# Altium PCB PCB - PCBWAY.PcbDoc (part 4 of 4)
Units mm, origin at the board's own origin, x right, y up, seen from the top; angles counter-clockwise.
Board outline 100 x 100 mm, 6 copper layers (Top Layer, Layer 2, Layer 3, Layer 4, Layer 5, Bottom Layer), stack 1.538 mm thick; 352 components, 247 nets, 1014 pads, 367 vias.
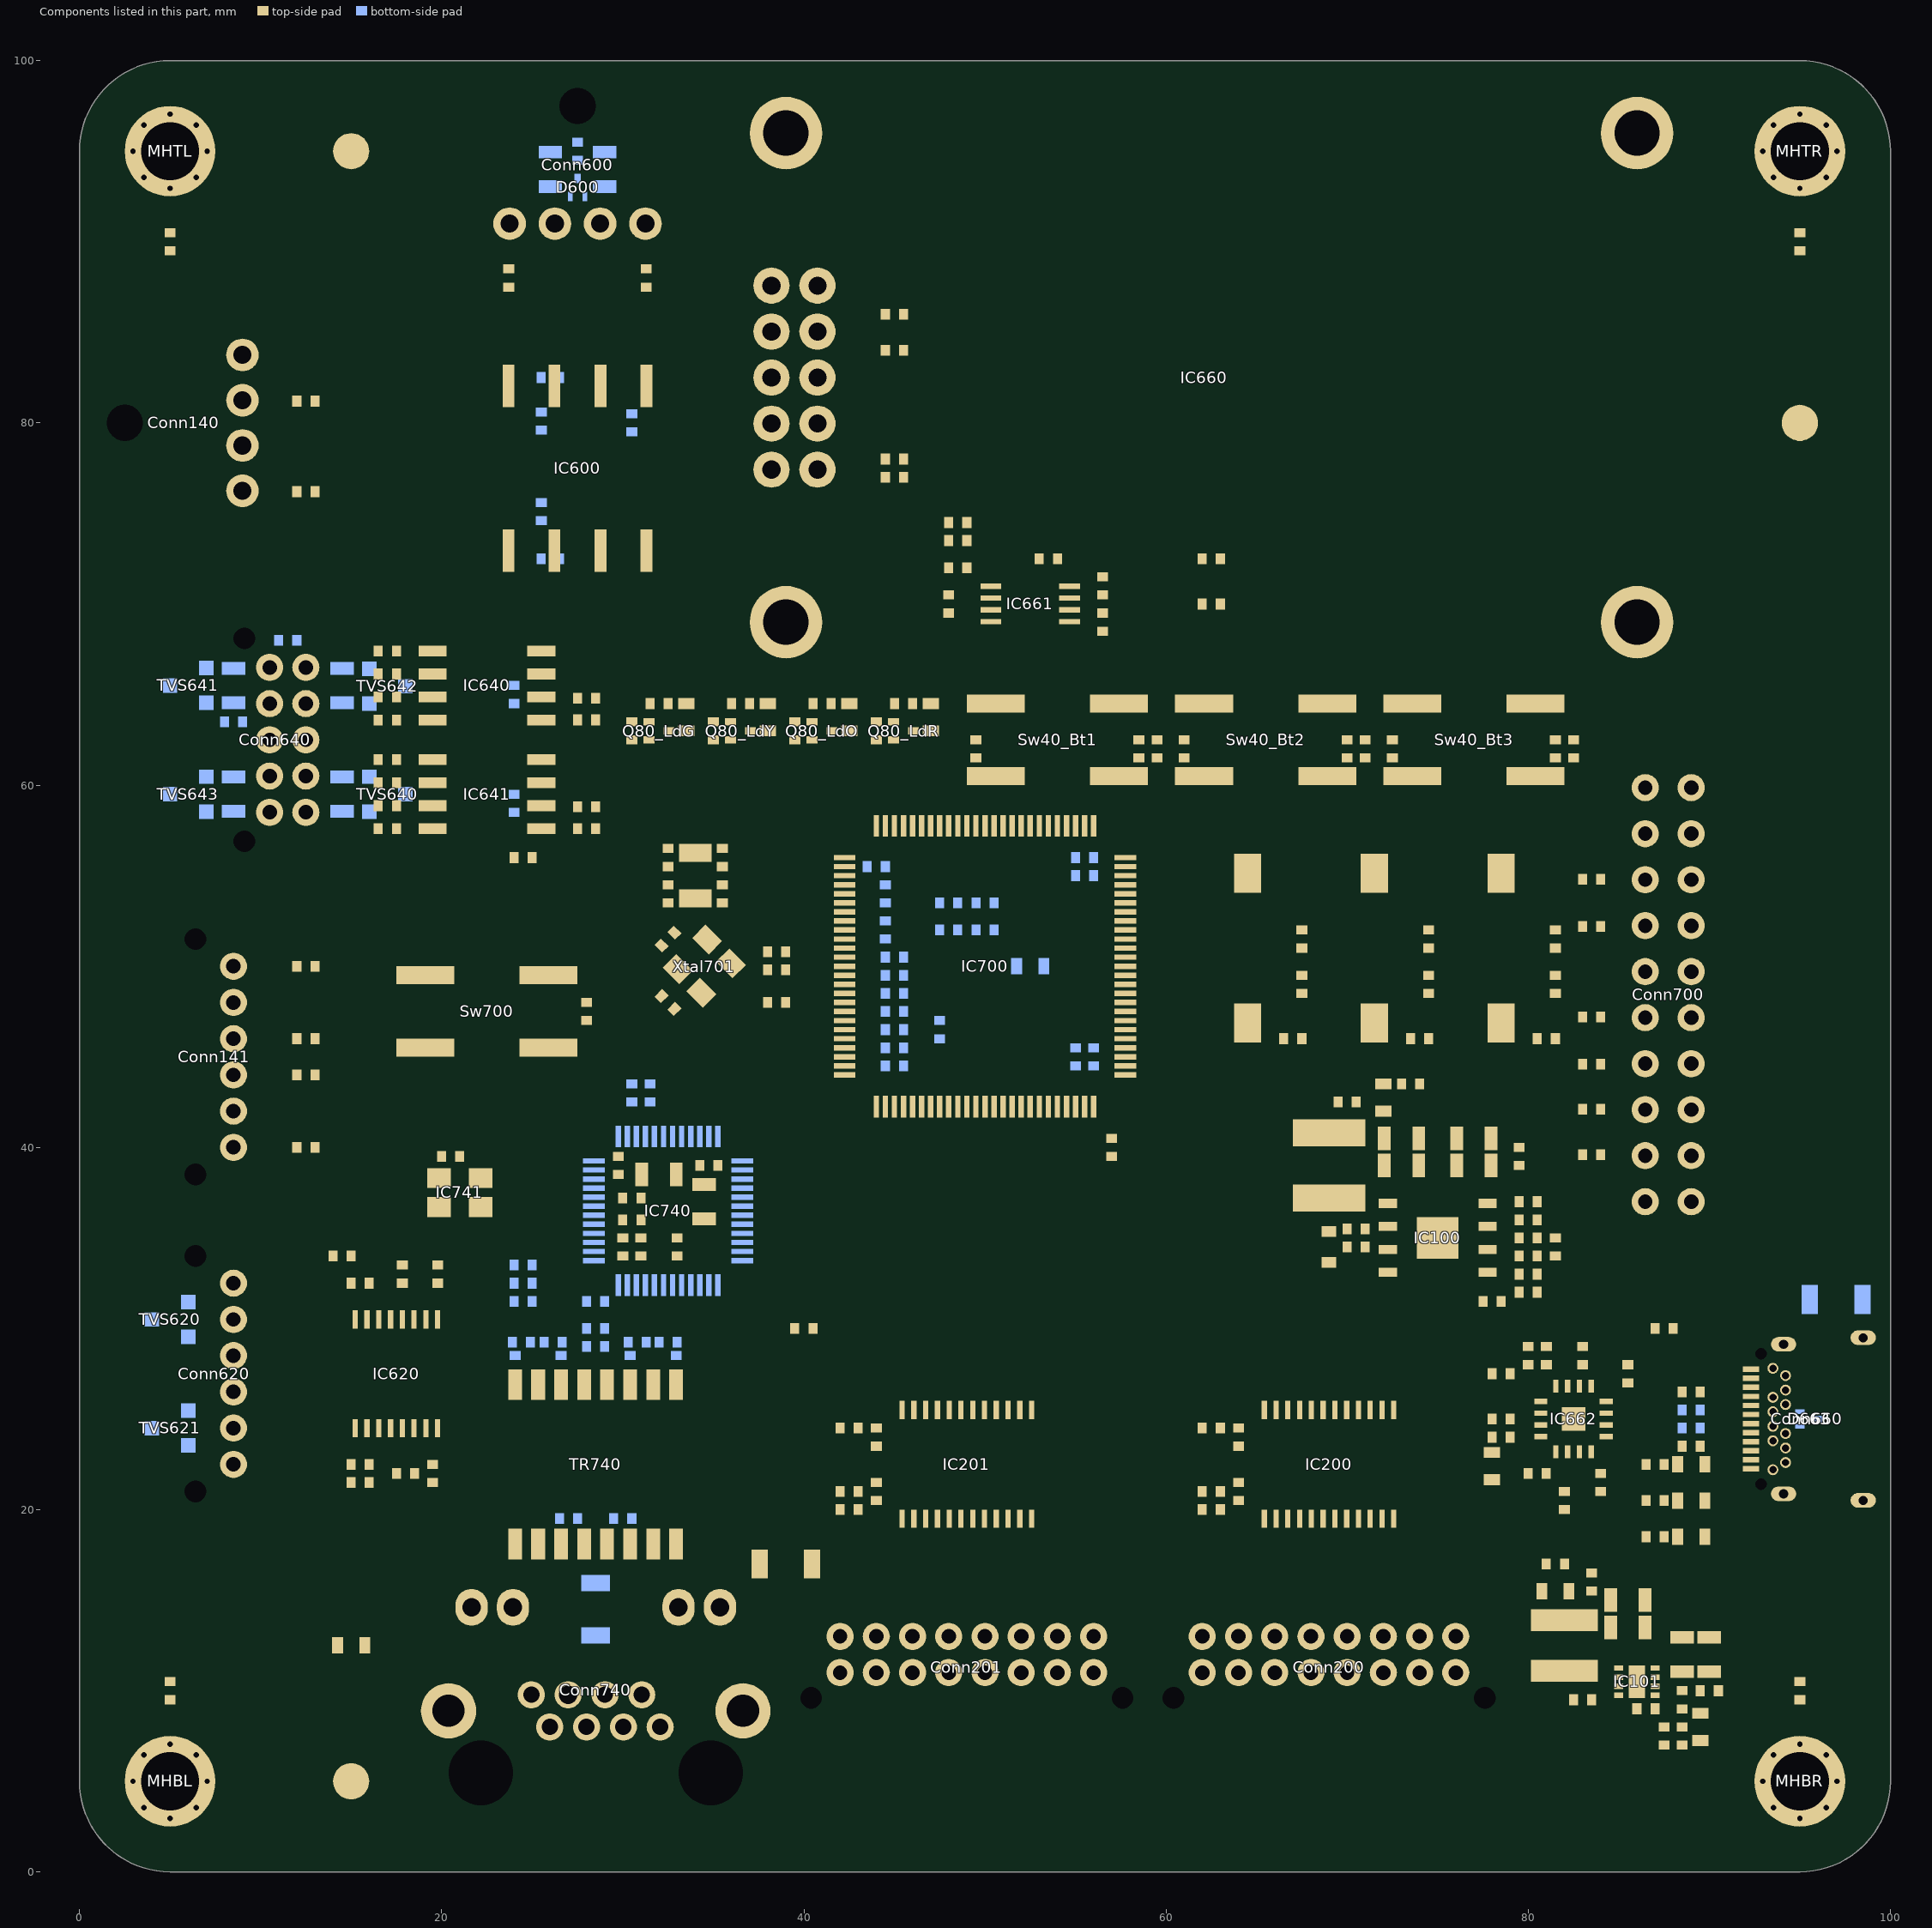
[diagram p8: the components of this part, seen from the top]

## Polygon pours and split planes (outlines as drawn) (continued)
3.3V_FT on Layer 4 (split plane): 85.857,27.857 85.899,27.825 85.948,27.805 86,27.798 88,27.798 89.916,27.798 91.798,25.916 91.798,23 91.805,22.948 91.825,22.899 91.857,22.857 92.857,21.857 92.899,21.825 92.919,21.817 92.948,21.805 93,21.798 93.513,21.798 89.916,18.202 81.084,18.202 77.202,22.084 77.202,27.916 79.084,29.798 80.298,29.798 80.298,29 80.305,28.948 80.325,28.899 80.357,28.857 80.399,28.825 80.448,28.805 80.5,28.798 81.75,28.798 81.802,28.805 81.851,28.825 81.893,28.857 82.834,29.798 83.916,29.798
VBus on Layer 4 (split plane): 94.008,26.706 94.008,26.6 94.008,25.884 93.367,25.243 93.335,25.201 93.315,25.152 93.308,25.1 93.308,24.6 93.315,24.548 93.335,24.499 93.367,24.457 94.008,23.816 94.008,22.294 93.916,22.202 93.084,22.202 92.202,23.084 92.202,26 92.195,26.052 92.175,26.101 92.143,26.143 90.143,28.143 90.101,28.175 90.052,28.195 90,28.202 88.084,28.202 87.702,28.584 87.702,30.416 88.084,30.798 89.916,30.798
ChassisU on Layer 4 (split plane): 99.49,5 99.491,4.982 99.482,4.706 99.453,4.414 99.406,4.124 99.339,3.837 99.253,3.556 99.15,3.281 99.029,3.013 98.89,2.754 98.735,2.504 98.564,2.266 98.377,2.038 98.176,1.824 97.962,1.623 97.734,1.436 97.496,1.265 97.246,1.11 96.987,0.971 96.719,0.85 96.444,0.747 96.163,0.661 95.876,0.594 95.586,0.547 95.294,0.518 95.018,0.509 95,0.51 92.502,0.51 92.502,6.998 93,6.998 93.098,7.007 93.192,7.036 93.279,7.082 93.355,7.145 94.855,8.645 94.918,8.721 94.964,8.808 94.993,8.902 95.002,9 95.002,11.792 97.355,14.145 97.418,14.221 97.464,14.308 97.493,14.402 97.502,14.5 97.502,33.292 98.708,34.498 99.49,34.498
Vdd on Layer 4 (split plane): 59.798,57.916 59.798,41.084 58.916,40.202 42.584,40.202 41.202,41.584 41.202,56.916 43.084,58.798 58.916,58.798
5V_LCD on Layer 4 (split plane): 49.798,84.916 49.798,77.75 49.805,77.698 49.825,77.649 49.857,77.607 52.607,74.857 52.649,74.825 52.698,74.805 52.75,74.798 61.166,74.798 62.298,73.666 62.298,68.834 60.666,67.202 47.584,67.202 35.202,79.584 35.202,82.5 35.202,87.416 37.584,89.798 44.916,89.798
5V on Layer 4 (split plane): 71.774,95.096 70,95.096 70,95.099 71.771,95.099 71.771,95.626
5V on Layer 4 (split plane): 71.766,96.379 70,96.379 70,96.38 71.766,96.38
ChassisE on Layer 5 (split plane): 38.498,18.292 38.498,0.51 5,0.51 4.982,0.509 4.706,0.518 4.414,0.547 4.124,0.594 3.837,0.661 3.556,0.747 3.281,0.85 3.013,0.971 2.754,1.11 2.504,1.265 2.266,1.436 2.038,1.623 1.824,1.824 1.623,2.038 1.436,2.266 1.265,2.504 1.11,2.754 0.971,3.013 0.85,3.281 0.747,3.556 0.661,3.837 0.594,4.124 0.547,4.414 0.518,4.706 0.509,4.982 0.51,5 0.51,14.498 5,14.498 5.098,14.507 5.192,14.536 5.279,14.582 5.355,14.645 8.708,17.998 19,17.998 19.098,18.007 19.192,18.036 19.279,18.082 19.355,18.145 23.208,21.998 34.792,21.998
Gnd on Layer 5 (split plane): 95.294,99.482 95.586,99.453 95.876,99.406 96.163,99.339 96.444,99.253 96.719,99.15 96.987,99.029 97.246,98.89 97.496,98.735 97.734,98.564 97.962,98.377 98.176,98.176 98.377,97.962 98.564,97.734 98.735,97.496 98.89,97.246 99.029,96.987 99.15,96.719 99.253,96.444 99.339,96.163 99.406,95.876 99.453,95.586 99.482,95.294 99.491,95.018 99.49,95 99.49,50.5 98.5,50.5 98.5,44.5 99.49,44.5 99.49,35.502 98.5,35.502 98.402,35.493 98.308,35.464 98.221,35.418 98.145,35.355 96.645,33.855 96.582,33.779 96.536,33.692 96.507,33.598 96.498,33.5 96.498,14.708 94.145,12.355 94.082,12.279 94.036,12.192 94.007,12.098 93.998,12 93.998,9.208 92.792,8.002 92,8.002 91.902,7.993 91.808,7.964 91.721,7.918 91.645,7.855 91.582,7.779 91.536,7.692 91.507,7.598 91.498,7.5 91.498,0.51 50.5,0.51 50.5,1.5 44.5,1.5 44.5,0.51 39.502,0.51 39.502,18.5 39.494,18.588 39.493,18.598 39.464,18.692 39.418,18.779 39.383,18.821 39.355,18.855 35.355,22.855 35.279,22.918 35.192,22.964 35.098,22.993 35,23.002 23,23.002 22.902,22.993 22.808,22.964 22.721,22.918 22.645,22.855 18.792,19.002 8.5,19.002 8.402,18.993 8.308,18.964 8.221,18.918 8.145,18.855 4.792,15.502 0.51,15.502 0.51,44.5 1.5,44.5 1.5,50.5 0.51,50.5 0.51,95 0.509,95.018 0.518,95.294 0.547,95.586 0.594,95.876 0.661,96.163 0.747,96.444 0.85,96.719 0.971,96.987 1.11,97.246 1.265,97.496 1.436,97.734 1.623,97.962 1.824,98.176 2.038,98.377 2.266,98.564 2.504,98.735 2.754,98.89 3.013,99.029 3.281,99.15 3.556,99.253 3.837,99.339 4.124,99.406 4.414,99.453 4.706,99.482 4.982,99.491 5,99.49 19.498,99.49 19.498,82.5 19.507,82.402 19.536,82.308 19.582,82.221 19.645,82.145 22.145,79.645 22.221,79.582 22.308,79.536 22.402,79.507 22.5,79.498 32.5,79.498 32.598,79.507 32.692,79.536 32.779,79.582 32.855,79.645 35.355,82.145 35.418,82.221 35.464,82.308 35.493,82.402 35.502,82.5 35.502,99.49 44.5,99.49 44.5,98.5 50.5,98.5 50.5,99.49 95,99.49 95.018,99.491
ChassisU on Layer 5 (split plane): 99.49,5 99.491,4.982 99.482,4.706 99.453,4.414 99.406,4.124 99.339,3.837 99.253,3.556 99.15,3.281 99.029,3.013 98.89,2.754 98.735,2.504 98.564,2.266 98.377,2.038 98.176,1.824 97.962,1.623 97.734,1.436 97.496,1.265 97.246,1.11 96.987,0.971 96.719,0.85 96.444,0.747 96.163,0.661 95.876,0.594 95.586,0.547 95.294,0.518 95.018,0.509 95,0.51 92.502,0.51 92.502,6.998 93,6.998 93.098,7.007 93.192,7.036 93.279,7.082 93.355,7.145 94.855,8.645 94.918,8.721 94.964,8.808 94.993,8.902 95.002,9 95.002,11.792 97.355,14.145 97.418,14.221 97.464,14.308 97.493,14.402 97.502,14.5 97.502,33.292 98.708,34.498 99.49,34.498
Gcan on Layer 5 (split plane): 34.498,82.708 32.292,80.502 22.708,80.502 20.502,82.708 20.502,99.49 34.498,99.49
ChassisE on Layer 2 (split plane): 38.498,18.292 38.498,0.51 5,0.51 4.982,0.509 4.706,0.518 4.414,0.547 4.124,0.594 3.837,0.661 3.556,0.747 3.281,0.85 3.013,0.971 2.754,1.11 2.504,1.265 2.266,1.436 2.038,1.623 1.824,1.824 1.623,2.038 1.436,2.266 1.265,2.504 1.11,2.754 0.971,3.013 0.85,3.281 0.747,3.556 0.661,3.837 0.594,4.124 0.547,4.414 0.518,4.706 0.509,4.982 0.51,5 0.51,14.498 5,14.498 5.098,14.507 5.192,14.536 5.279,14.582 5.355,14.645 8.708,17.998 19,17.998 19.098,18.007 19.192,18.036 19.279,18.082 19.355,18.145 23.208,21.998 34.792,21.998
Gnd on Layer 2 (split plane): 95.294,99.482 95.586,99.453 95.876,99.406 96.163,99.339 96.444,99.253 96.719,99.15 96.987,99.029 97.246,98.89 97.496,98.735 97.734,98.564 97.962,98.377 98.176,98.176 98.377,97.962 98.564,97.734 98.735,97.496 98.89,97.246 99.029,96.987 99.15,96.719 99.253,96.444 99.339,96.163 99.406,95.876 99.453,95.586 99.482,95.294 99.491,95.018 99.49,95 99.49,50.5 98.5,50.5 98.5,44.5 99.49,44.5 99.49,35.502 98.5,35.502 98.402,35.493 98.308,35.464 98.221,35.418 98.145,35.355 96.645,33.855 96.582,33.779 96.536,33.692 96.507,33.598 96.498,33.5 96.498,14.708 94.145,12.355 94.082,12.279 94.036,12.192 94.007,12.098 93.998,12 93.998,9.208 92.792,8.002 92,8.002 91.902,7.993 91.808,7.964 91.721,7.918 91.645,7.855 91.582,7.779 91.536,7.692 91.507,7.598 91.498,7.5 91.498,0.51 50.5,0.51 50.5,1.5 44.5,1.5 44.5,0.51 39.502,0.51 39.502,18.5 39.494,18.588 39.493,18.598 39.464,18.692 39.418,18.779 39.383,18.821 39.355,18.855 35.355,22.855 35.279,22.918 35.192,22.964 35.098,22.993 35,23.002 23,23.002 22.902,22.993 22.808,22.964 22.721,22.918 22.645,22.855 18.792,19.002 8.5,19.002 8.402,18.993 8.308,18.964 8.221,18.918 8.145,18.855 4.792,15.502 0.51,15.502 0.51,44.5 1.5,44.5 1.5,50.5 0.51,50.5 0.51,95 0.509,95.018 0.518,95.294 0.547,95.586 0.594,95.876 0.661,96.163 0.747,96.444 0.85,96.719 0.971,96.987 1.11,97.246 1.265,97.496 1.436,97.734 1.623,97.962 1.824,98.176 2.038,98.377 2.266,98.564 2.504,98.735 2.754,98.89 3.013,99.029 3.281,99.15 3.556,99.253 3.837,99.339 4.124,99.406 4.414,99.453 4.706,99.482 4.982,99.491 5,99.49 19.498,99.49 19.498,82.5 19.507,82.402 19.536,82.308 19.582,82.221 19.645,82.145 22.145,79.645 22.221,79.582 22.308,79.536 22.402,79.507 22.5,79.498 32.5,79.498 32.598,79.507 32.692,79.536 32.779,79.582 32.855,79.645 35.355,82.145 35.418,82.221 35.464,82.308 35.493,82.402 35.502,82.5 35.502,99.49 44.5,99.49 44.5,98.5 50.5,98.5 50.5,99.49 95,99.49 95.018,99.491
ChassisU on Layer 2 (split plane): 99.49,5 99.491,4.982 99.482,4.706 99.453,4.414 99.406,4.124 99.339,3.837 99.253,3.556 99.15,3.281 99.029,3.013 98.89,2.754 98.735,2.504 98.564,2.266 98.377,2.038 98.176,1.824 97.962,1.623 97.734,1.436 97.496,1.265 97.246,1.11 96.987,0.971 96.719,0.85 96.444,0.747 96.163,0.661 95.876,0.594 95.586,0.547 95.294,0.518 95.018,0.509 95,0.51 92.502,0.51 92.502,6.998 93,6.998 93.098,7.007 93.192,7.036 93.279,7.082 93.355,7.145 94.855,8.645 94.918,8.721 94.964,8.808 94.993,8.902 95.002,9 95.002,11.792 97.355,14.145 97.418,14.221 97.464,14.308 97.493,14.402 97.502,14.5 97.502,33.292 98.708,34.498 99.49,34.498
Gcan on Layer 2 (split plane): 34.498,82.708 32.292,80.502 22.708,80.502 20.502,82.708 20.502,99.49 34.498,99.49
Gnd on Layer 2 (split plane): 65.799,96.295 65.799,96.4 65.8,96.4

## Other copper
Top Layer:
  rectangle net NetD101_C: 72.2,43.3 73,43.7
  pour cut-out: 61,94.5 78,94.5 ccw(c78,95) 78.5,95 78.5,96.5 ccw(c78,96.5) 78,97 61,97 ccw(c61,96.5) 60.5,96.5 60.5,95 ccw(c61,95)
  region net 5V: 85.5,29.5 86.5,28.5 87,28.5 87.25,28.75 87.25,31.25 87,31.5 86.5,31.5 85.5,30.5
  region net VBus: 87.75,30.25 88,30.5 89.25,30.5 89.5,30.25 89.5,29 89,28.5 88,28.5 87.75,28.75
  region net 3.3V_AP: 82.1,15.7 84.2,15.7 84.8,15.1 84.8,13.4 82.1,13.4
  region net NetIC101_6: 84.8,10.7 83.9,11.6 83.4,11.6 83.4,10.7
  region net 3.3V_RT: 72.4,38.4 71.6,38.4 69.9,40.1 69.5,40.1 69.5,41.5 69.7,41.5 70.3,42.1 70.3,42.8 70.7,42.8 71.3,42.2 72.4,42.2
  text "TL" at 61.037,95.116 h2
Layer 3:
  pour cut-out: 61,94.5 78,94.5 ccw(c78,95) 78.5,95 78.5,96.5 ccw(c78,96.5) 78,97 61,97 ccw(c61,96.5) 60.5,96.5 60.5,95 ccw(c61,95)
  text "L3" at 67.037,95.139 h2
Bottom Layer:
  pour cut-out: 61,94.5 78,94.5 ccw(c78,95) 78.5,95 78.5,96.5 ccw(c78,96.5) 78,97 61,97 ccw(c61,96.5) 60.5,96.5 60.5,95 ccw(c61,95)
  region net Gnd: 96,31 95.5,30.5 94.5,30.5 94,31 94.015,31.015 94,32 94.435,32.5 95.5,32.5 96,32
  text "BL" at 76.037,95.116 h2
Layer 2 (plane layer: these items are gaps in the copper):
  rectangle: 44.5,98.5 50.5,101.5
  region: 1.5,44.5 1.5,50.5 -1.5,50.5 -1.5,44.5
  region: 50.5,1.5 44.5,1.5 44.5,-1.5 50.5,-1.5
  region: 98.5,50.5 98.5,44.5 101.5,44.5 101.5,50.5
  region: 78.5,96.5 ccw(c77.882,96.382) 78,97 64,97 64.037,96.4 65.8,96.4 65.787,95.116 64.037,95.116 64.037,96.4 64,97 61,97 ccw(c61,96.5) 60.5,96.5 60.5,95 ccw(c61,95) 61,94.5 78,94.5 ccw(c78,95) 78.5,95
  lines w1: 0,15 5,15 8.5,18.5 19,18.5 23,22.5 35,22.5 39,18.5 39,0 ; 20,100 20,82.5 22.5,80 32.5,80 35,82.5 35,100 ; 92,0 92,7.5 93,7.5 94.5,9 94.5,12 97,14.5 97,33.5 98.5,35 100,35
  text "L2" at 64.037,95.116 h2
Layer 5 (plane layer: these items are gaps in the copper):
  rectangle: 44.5,98.5 50.5,101.5
  region: 1.5,44.5 1.5,50.5 -1.5,50.5 -1.5,44.5
  region: 50.5,1.5 44.5,1.5 44.5,-1.5 50.5,-1.5
  region: 98.5,50.5 98.5,44.5 101.5,44.5 101.5,50.5
  region: 78.5,96.5 ccw(c77.882,96.382) 78,97 73,97 73.037,96.417 74.821,96.417 74.821,95.116 73.037,95.116 73.037,96.417 73,97 61,97 ccw(c61,96.5) 60.5,96.5 60.5,95 ccw(c61,95) 61,94.5 78,94.5 ccw(c78,95) 78.5,95
  lines w1: 0,15 5,15 8.5,18.5 19,18.5 23,22.5 35,22.5 39,18.5 39,0 ; 20,100 20,82.5 22.5,80 32.5,80 35,82.5 35,100 ; 92,0 92,7.5 93,7.5 94.5,9 94.5,12 97,14.5 97,33.5 98.5,35 100,35
  text "L5" at 73.037,95.137 h2
Layer 4 (plane layer: these items are gaps in the copper):
  rectangle: 44.5,98.5 50.5,101.5
  region: 1.5,44.5 1.5,50.5 -1.5,50.5 -1.5,44.5
  region: 50.5,1.5 44.5,1.5 44.5,-1.5 50.5,-1.5
  region: 98.5,50.5 98.5,44.5 101.5,44.5 101.5,50.5
  region: 78.5,96.5 ccw(c77.882,96.382) 77.882,97.011 70,97 70,96.38 71.766,96.38 71.774,95.096 70,95.096 70,96 70,97 61,97 ccw(c61,96.5) 60.5,96.5 60.5,95 ccw(c61,95) 61,94.5 78,94.5 ccw(c78,95) 78.5,95
  lines w0.4: 15,18.5 15,40 20,45 34,45 40,39 40,20 ; 20,100 20,82.5 22.5,80 32.5,80 35,82.5 ; 35,100 35,87.5 ; 39,18.5 40,19.5 40,20 ; 62.5,71.25 89.25,71.25 92.5,68 92.5,37.5 91.25,36.25 85.73,36.25 ; 85.75,36.25 84.5,37.5 84.5,40 83.25,41.25 79.25,41.25 78.75,40.75 78.75,40 82.5,36.25 82.5,32 80.5,30 ; 86.25,18 86.25,16.25 85,15 78.75,15 73.75,20 40,20 ; 35,87.5 37.5,90 45,90 50,85 50,77.75 52.75,75 61.25,75 62.5,73.75 62.5,68.75 60.75,67 47.5,67 35,79.5 35,87.5 ; 80.5,30 79,30 77,28 77,22 81,18 90,18 94,22 ; 80.5,30 80.5,29 81.75,29 82.75,30 84,30 86,28 88,28 ; 88,28 90,28 92,26 92,23 93,22 94,22 ; 88,28 87.5,28.5 87.5,30.5 88,31 90,31 94.21,26.79 94.21,26.6 94.21,25.8 93.51,25.1 93.51,24.6 94.21,23.9 94.21,22.21 94,22 ; 22,57 23,56 25,56 26,57 26,64 25,65 23,65 22,64 22,57 ; 28,34 28,38.5 29.5,40 30,40 30.25,39.75 30.25,38.25 30,38 29.75,38 29.25,37.5 29.25,35.5 30.5,34.25 30.5,33.75 30.75,33.5 32.25,33.5 32.5,33.75 32.5,34.25 32.75,34.5 33.25,34.5 33.5,34.25 33.5,33.25 32.5,32.25 29.75,32.25 28,34 ; 41,41.5 41,57 43,59 59,59 60,58 60,41 59,40 42.5,40 41,41.5
  lines w1: 0,15 5,15 8.5,18.5 19,18.5 23,22.5 35,22.5 39,18.5 39,0 ; 92,0 92,7.5 93,7.5 94.5,9 94.5,12 97,14.5 97,33.5 98.5,35 100,35
  text "L4" at 70,95.099 h2
Multi-Layer:
  pour cut-out: 44.5,101.5 50.5,101.5 50.5,98.5 44.5,98.5
  pour cut-out: -1.5,44.5 -1.5,50.5 1.5,50.5 1.5,44.5
  pour cut-out: 50.5,-1.5 44.5,-1.5 44.5,1.5 50.5,1.5
  pour cut-out: 101.5,50.5 101.5,44.5 98.5,44.5 98.5,50.5

## Silkscreen, mask and mechanical layers (free items; w line width, h text height)
Top Overlay:
  drawing of 167 lines, arcs and shapes, not listed
  text "CAN-L" at 29.199,85.85 h1.4 r90
  text "CAN-H" at 26.699,85.699 h1.4 r90
  text "5V" at 23.015,85.604 h1.4
  text "GND" at 29.925,85.338 h1.4
  text "3.3V" at 10.5,83.258 h1.4
  text "SDA" at 11.412,79.941 h1.4 r90
  text "GND" at 10.5,78.251 h1.4
  text "SCL" at 11.412,75.033 h1.4 r90
  text "I2C" at 9.432,72.199 h2
  text "5V" at 64,72.123 h1.2
  text "LCD" at 61.497,70.867 h1.2
  text "3.3V" at 64,69.622 h1.2
  text "TX-" at 13.5,67.119 h1.4
  text "RX-" at 13.5,66.119 h1.4
  text "JTAG" at 93.372,65.522 h2
  text "TX+" at 13.5,65.119 h1.4
  text "E6" at 32.919,65.014 h1.4
  text "E5" at 37.432,65.012 h1.4
  text "E3" at 46.428,65.012 h1.4
  text "E4" at 41.909,65 h1.4
  text "RX+" at 13.5,64.119 h1.4
  text "GND" at 13.5,63.119 h1.4
  text "GND" at 13.5,62.119 h1.4
  text "CTS+" at 13.5,61.119 h1.4
  text "x4" at 34.173,61.004 h1.4
  text "GNDx9" at 89.281,61 h1.4 r90
  text "RTS+" at 13.5,60.119 h1.4
  text "NC" at 83.812,59.479 h1.4
  text "CTS-" at 13.5,59.119 h1.4
  text "E1" at 64.927,58.732 h1.4
  text "E0" at 53.412,58.725 h1.4
  text "E2" at 76.429,58.725 h1.4
  text "RTS-" at 13.5,58.119 h1.4
  text "32kHz" at 32.442,57.012 h1.4
  text "NC" at 83.812,56.919 h1.4
  text "NRST" at 82.237,55.314 h1.4
  text "1" at 62.721,55.25 h1.4
  text "D7" at 65.75,55.25 h1.4
  text "1" at 69.721,55.25 h1.4
  text "B8" at 72.75,55.264 h1.4
  text "1" at 76.721,55.25 h1.4
  text "B9" at 79.75,55.25 h1.4
  text "RS422" at 7.257,54.699 h2
  text "RS232" at 22.934,54.52 h1.2
  text "TDO" at 82.549,52.714 h1.4
  text "25MHz" at 34.903,52.363 h1.4 r315
  text "MCU RESET" at 19.58,51.114 h1.4
  text "NC" at 83.812,49.319 h1.4
  text "MOSI" at 10.3,48.619 h1.4
  text "TCK" at 82.549,47.71 h1.4
  text "GND" at 10.3,47.619 h1.4
  text "MISO" at 10.3,46.519 h1.4
  text "ETH-MCU / RESET" at 36.924,46.073 h1
  text "0" at 62.655,45.975 h1.4
  text "0" at 69.655,45.975 h1.4
  text "0" at 76.655,45.975 h1.4
  text "TMS" at 82.569,45.114 h1.4
  text "SCK" at 10.3,42.619 h1.4
  text "TDI" at 82.582,42.6 h1.4
  text "5V" at 78.872,42.013 h1.2
  text "3.3V" at 67.486,41.676 h1.2 r90
  text "GND" at 10.3,41.619 h1.4
  text "CS" at 10.3,40.519 h1.4
  text "TRST" at 82.232,40.114 h1.4
  text "STM32F417" at 46.155,39.699 h2
  text "MCU" at 58.53,38.864 h1.2 r90
  text "3.3V" at 82.454,36.619 h1.4
  text "SPI" at 8.801,36.199 h2
  text "50MHz" at 19.447,35.225 h1.4
  text "RS232" at 12.934,34.764 h1.2
  text "3.3V" at 89.281,33.454 h1.4 r90
  text "RX" at 10.3,32.119 h1.4
  text "ETH" at 39.015,30.75 h1.2
  text "5V / USB" at 86.296,30.5 h1.4
  text "GND" at 10.3,30.119 h1.4
  text "Last Rev: .Print_Date / Revision: 1.0" at 44,29.672 h1.8
  text "TX" at 10.3,28.119 h1.4
  text "FTDI" at 75.056,27.117 h1.2
  text "RTS" at 10.3,26.119 h1.4
  text "GND" at 10.3,24.119 h1.4
  text "3.3V" at 39.102,24.122 h1.2
  text "3.3V" at 59.102,24.122 h1.2
  text "CTS" at 10.3,22.019 h1.4
  text "TX" at 88.277,21.07 h1.3
  text "3.3V" at 39.102,20.872 h1.2
  text "3.3V" at 59.102,20.872 h1.2
  text "5V" at 39.994,19.373 h1.2
  text "5V" at 59.994,19.373 h1.2
  text "RX" at 88.244,19.07 h1.3
  text "RS232" at 6.257,18.699 h2
  text "3.3V" at 82.426,18.514 h1.2
  text "USB" at 91.5,18.499 h2
  text "SLP" at 87.957,17.056 h1.3
  text "(Type-C)" at 91.5,16.959 h1.6
  text "x3" at 89.251,15.983 h1.4
  text "D10" at 42.381,14 h1.4 r90
  text "D12" at 44.388,14 h1.4 r90
  text "D13" at 46.382,14 h1.4 r90
  text "D14" at 48.384,14 h1.4 r90
  text "D15" at 50.378,14 h1.4 r90
  text "C6" at 52.38,14 h1.4 r90
  text "C7" at 54.381,14 h1.4 r90
  text "C8" at 56.381,14 h1.4 r90
  text "E8" at 62.381,14 h1.4 r90
  text "E9" at 64.388,14 h1.4 r90
  text "E10" at 66.381,14 h1.4 r90
  text "E11" at 68.384,14 h1.4 r90
  text "E12" at 70.388,14 h1.4 r90
  text "E13" at 72.382,14 h1.4 r90
  text "E14" at 74.384,14 h1.4 r90
  text "E15" at 76.378,14 h1.4 r90
  text "SPD" at 14.059,13.214 h1.4
  text "ETH" at 19.8,12.193 h2 r90
  text "5V" at 93.266,9.372 h1.2 r90
  text "PG" at 90.88,7.301 h1.2 r90
  text "PCBWAY PN:" at 63.2,5.2 h1
  text "WayWayWay" at 63.2,3.533 h1
  text "GPIO #0" at 59.601,1 h2 r90
  text "GPIO #1" at 79.601,0.9 h2 r90
Bottom Overlay:
  circle w0.4: c36.25,40.75 r0.2
  lines w0.15: 3.75,62.25 6.75,62.25 7.5,63 ; 3.75,68 5.5,69.75 11,69.75 11.5,69.25 11.5,68.5 ; 6.75,62.75 7.5,63 ; 7.25,62.25 7.5,63 ; 11.25,69 11.5,68.5 ; 11.75,69 11.5,68.5 ; 25,74.1 26,74.1 26,76.1 25,76.1 25,74.1 ; 25,79.1 26,79.1 26,81.1 25,81.1 25,79.1
  text "5V" at 24.737,80.628 h1.2 r90
  text "CAN" at 23.941,77.983 h1.2 r180
  text "3.3V" at 24.736,76.324 h1.2 r90
  text "Loop Back / Resistors" at 3.535,67.887 h1.4 r90
  text "NC" at 85.5,59.479 h1.4
  text "GND" at 91.912,59.479 h1.4
  text "NC" at 85.5,56.939 h1.4
  text "GND" at 91.912,56.939 h1.4
  text "NRST" at 85.5,54.399 h1.4
  text "GND" at 91.912,54.399 h1.4
  text "B0" at 46.987,54.2 h1.2 r90
  text "B1" at 47,52.3 h1.2 r90
  text "TDO/SWO" at 85.5,51.891 h1.4
  text "GND" at 91.912,51.819 h1.4
  text "H" at 48.483,51.4 h1.2 r90
  text "L" at 50.383,51.4 h1.2 r90
  text "NC" at 85.5,49.319 h1.4
  text "GND" at 91.912,49.319 h1.4
  text "TCK/SWCLK" at 85.5,46.811 h1.4
  text "GND" at 91.912,46.779 h1.4
  text "TMS/SWDIO" at 85.5,44.251 h1.4
  text "GND" at 91.912,44.219 h1.4
  text "GND" at 91.912,41.719 h1.4
  text "TDI" at 85.5,41.699 h1.4
  text "TRST" at 85.5,39.159 h1.4
  text "GND" at 91.912,39.159 h1.4
  text "3.3V" at 85.5,36.619 h1.4
  text "3.3V" at 92.546,36.619 h1.4
  text "RX-" at 26.603,10.75 h1.4 r270
  text "TX-" at 30.667,10.75 h1.4 r270
  text "RX+" at 30.413,7 h1.4 r90
  text "TX+" at 32.424,7 h1.4 r90
Top Solder:
  region: 78.5,96.5 ccw(c78,96.5) 78,97 61.037,97 ccw(c61.018,96.482) 60.5,96.5 60.5,95 ccw(c61,95) 61,94.5 78,94.5 ccw(c78,95) 78.5,95
Bottom Solder:
  region: 78.5,96.5 ccw(c78,96.5) 78,97 61,97 ccw(c61,96.5) 60.5,96.5 60.5,95 ccw(c60.96,95.076) 61.037,94.616 78,94.5 ccw(c78,95) 78.5,95
Mechanical 1:
  the board outline again, w1
Dimensions:
  lines w1: 0,5 ccw(c5,5) 5,0 95,0 ccw(c95,5) 100,5 100,95 ccw(c95,95) 95,100 5,100 ccw(c5,95) 0,95 0,5 ; 65,20 65,30 85,30 85,20 65,20
  text "CUT-OUT" at 67.067,23.72 h4
  text "All units are in millimeters." at 10,5.043 h4
Drill Drawing:
  drawing of 185 lines, arcs and shapes, not listed
  text "Symbol" at 108.48,85.192 h1.83
  text "Count" at 121.329,85.192 h1.83
  text "Hole Size" at 136.565,85.192 h1.83
  text "Plated" at 165.766,85.192 h1.83
  text "Hole Type" at 178.615,85.192 h1.83
  text "Drill Layer Pair" at 197.254,85.192 h1.83
  text "Via/Pad" at 235.343,85.192 h1.83
  text "Pad Shape" at 250.325,85.192 h1.83
  text "1" at 121.329,81.382 h1.52
  text "0.650mm (25.59mil)" at 136.565,81.382 h1.52
  text "NPTH" at 165.766,81.382 h1.52
  text "Round" at 178.615,81.382 h1.52
  text "Top Layer - Bottom Layer" at 197.254,81.382 h1.52
  text "Pad" at 235.343,81.382 h1.52
  text "Rounded" at 250.325,81.382 h1.52
  text "1" at 121.329,77.572 h1.52
  text "0.650mm (25.59mil)" at 136.565,77.572 h1.52
  text "NPTH" at 165.766,77.572 h1.52
  text "Slot" at 178.615,77.572 h1.52
  text "Top Layer - Bottom Layer" at 197.254,77.572 h1.52
  text "Pad" at 235.343,77.572 h1.52
  text "Rounded" at 250.325,77.572 h1.52
  text "2" at 121.329,73.762 h1.52
  text "1.778mm (70.00mil)" at 136.565,73.762 h1.52
  text "PTH" at 165.766,73.762 h1.52
  text "Round" at 178.615,73.762 h1.52
  text "Top Layer - Bottom Layer" at 197.254,73.762 h1.52
  text "Pad" at 235.343,73.762 h1.52
  text "Rounded" at 250.325,73.762 h1.52
  text "2" at 121.329,69.952 h1.52
  text "2.000mm (78.74mil)" at 136.565,69.952 h1.52
  text "NPTH" at 165.766,69.952 h1.52
  text "Slot" at 178.615,69.952 h1.52
  text "Top Layer - Bottom Layer" at 197.254,69.952 h1.52
  text "Pad" at 235.343,69.952 h1.52
  text "Rounded" at 250.325,69.952 h1.52
  text "2" at 121.329,66.142 h1.52
  text "3.556mm (140.00mil)" at 136.565,66.142 h1.52
  text "NPTH" at 165.766,66.142 h1.52
  text "Round" at 178.615,66.142 h1.52
  text "Top Layer - Bottom Layer" at 197.254,66.142 h1.52
  text "Pad" at 235.343,66.142 h1.52
  text "Rounded" at 250.325,66.142 h1.52
  text "4" at 121.329,62.332 h1.52
  text "0.500mm (19.69mil)" at 136.565,62.332 h1.52
  text "PTH" at 165.766,62.332 h1.52
  text "Slot" at 178.615,62.332 h1.52
  text "Top Layer - Bottom Layer" at 197.254,62.332 h1.52
  text "Pad" at 235.343,62.332 h1.52
  text "Rounded" at 250.325,62.332 h1.52
  text "4" at 121.329,58.522 h1.52
  text "2.500mm (98.43mil)" at 136.565,58.522 h1.52
  text "PTH" at 165.766,58.522 h1.52
  text "Round" at 178.615,58.522 h1.52
  text "Top Layer - Bottom Layer" at 197.254,58.522 h1.52
  text "Pad" at 235.343,58.522 h1.52
  text "Rounded" at 250.325,58.522 h1.52
  text "4" at 121.329,54.712 h1.52
  text "3.200mm (125.98mil)" at 136.565,54.712 h1.52
  text "PTH" at 165.766,54.712 h1.52
  text "Round" at 178.615,54.712 h1.52
  text "Top Layer - Bottom Layer" at 197.254,54.712 h1.52
  text "Pad" at 235.343,54.712 h1.52
  text "Rounded" at 250.325,54.712 h1.52
  text "5" at 121.329,50.902 h1.52
  text "1.016mm (40.00mil)" at 136.565,50.902 h1.52
  text "PTH" at 165.766,50.902 h1.52
  text "Round" at 178.615,50.902 h1.52
  text "Top Layer - Bottom Layer" at 197.254,50.902 h1.52
  text "Pad" at 235.343,50.902 h1.52
  text "Rounded" at 250.325,50.902 h1.52
  text "7" at 121.329,47.092 h1.52
  text "0.900mm (35.43mil)" at 136.565,47.092 h1.52
  text "PTH" at 165.766,47.092 h1.52
  text "Round" at 178.615,47.092 h1.52
  text "Top Layer - Bottom Layer" at 197.254,47.092 h1.52
  text "Pad" at 235.343,47.092 h1.52
  text "Rounded" at 250.325,47.092 h1.52
  text "10" at 121.329,43.282 h1.52
  text "1.200mm (47.24mil)" at 136.565,43.282 h1.52
  text "NPTH" at 165.766,43.282 h1.52
  text "Round" at 178.615,43.282 h1.52
  text "Top Layer - Bottom Layer" at 197.254,43.282 h1.52
  text "Pad" at 235.343,43.282 h1.52
  text "Rounded" at 250.325,43.282 h1.52
  text "12" at 121.329,39.472 h1.52
  text "0.400mm (15.75mil)" at 136.565,39.472 h1.52
  text "PTH" at 165.766,39.472 h1.52
  text "Round" at 178.615,39.472 h1.52
  text "Top Layer - Bottom Layer" at 197.254,39.472 h1.52
  text "Pad" at 235.343,39.472 h1.52
  text "Rounded" at 250.325,39.472 h1.52
  text "18" at 121.329,35.662 h1.52
  text "1.000mm (39.37mil)" at 136.565,35.662 h1.52
  text "PTH" at 165.766,35.662 h1.52
  text "Round" at 178.615,35.662 h1.52
  text "Top Layer - Bottom Layer" at 197.254,35.662 h1.52
  text "Pad" at 235.343,35.662 h1.52
  text "Rounded" at 250.325,35.662 h1.52
  text "74" at 121.329,31.852 h1.52
  text "0.800mm (31.50mil)" at 136.565,31.852 h1.52
  text "PTH" at 165.766,31.852 h1.52
  text "Round" at 178.615,31.852 h1.52
  text "Top Layer - Bottom Layer" at 197.254,31.852 h1.52
  text "Pad" at 235.343,31.852 h1.52
  text "Rounded" at 250.325,31.852 h1.52
  text "399" at 121.329,28.042 h1.52
  text "0.300mm (11.81mil)" at 136.565,28.042 h1.52
  text "PTH" at 165.766,28.042 h1.52
  text "Round" at 178.615,28.042 h1.52
  text "Top Layer - Bottom Layer" at 197.254,28.042 h1.52
  text "(Mixed)" at 235.343,28.042 h1.52
  text "Rounded" at 250.325,28.042 h1.52
  text "545 Total" at 121.329,24.232 h1.52
  text "Slot definitions :" at 108.48,20.549 h1.52
  text "Routed Path Length" at 134.71,20.549 h1.52
  text "= Calculated from tool start centre position to tool end centre position." at 162.718,20.549 h1.52
  text "Hole Length" at 134.71,18.01 h1.52
  text "= Routed Path Length + Tool Size = Slot length as defined in the PCB layout" at 152.307,18.01 h1.52
Power Plane Planı:
  lines w0.4: 15,12 15,40 20,45 34,45 40,39 40,15 38,12 ; 22.5,80 25,77.5 37,77.5 ; 47.5,87.5 50,90 75,90 92.5,72.5 92.5,37.5 90,35 87.5,35 84,31.5 82,31.5 80.5,30 ; 92,7.5 90.5,9 90.5,11 92,12.5 92,20 94,22 ; 92,18 81,18 77,22 77,28 79,30 80.5,30 ; 37,77.5 37,87 40,90 45,90 65,70 65,68 64,67 47.5,67 37,77.5 ; 80.5,30 80.5,29 81.75,29 82.75,30 84,30 86,28 88,28 ; 88,28 90,28 92,26 92,23 93,22 94,22 ; 88,28 87.5,28.5 87.5,30.5 88,31 90,31 95,26 95,23 94,22 ; 22,57 23,56 25,56 26,57 26,64 25,65 23,65 22,64 22,57 ; 41,41.5 41,57 43,59 59,59 60,58 60,41 59,40 42.5,40 41,41.5
  lines w1: 0,15 5,15 8,12 38,12 39,11 39,0 ; 20,100 20,82.5 22.5,80 32.5,80 35,82.5 35,100 ; 92,0 92,7.5 93,7.5 94.5,9 94.5,12 97,14.5 97,30.5 97.5,31 100,31
  text "Gcan" at 24,86 h3
  text "5V" at 81,86 h10
  text "5V_LCD" at 47,76 h3
  text "VCC_422" at 21,55 h3 r90
  text "Vdd" at 48,41.032 h3
  text "VBus" at 85.663,31.406 h3
  text "3.3V" at 50.5,27 h10
  text "VBus" at 38.869,21.512 h3 r90
  text "3.3V_FT" at 81,15 h3
  text "Chassis" at 99,6.5 h3 r90
  text "Chassis" at 24,1 h3
Top Overlay Texts:
  drawing of 165 lines, arcs and shapes, not listed
  text "CAN-L" at 29.199,85.85 h1.4 r90
  text "CAN-H" at 26.699,85.699 h1.4 r90
  text "5V" at 23.015,85.604 h1.4
  text "GND" at 29.925,85.338 h1.4
  text "3.3V" at 10.5,83.258 h1.4
  text "SDA" at 11.412,79.941 h1.4 r90
  text "GND" at 10.5,78.251 h1.4
  text "SCL" at 11.412,75.033 h1.4 r90
  text "I2C" at 9.432,72.199 h2
  text "5V" at 64,72.123 h1.2
  text "LCD" at 61.497,70.867 h1.2
  text "3.3V" at 64,69.622 h1.2
  text "String" at 68.935,68.676 h1.4
  text "String" at 73.935,68.676 h1.4
  text "TX-" at 13.5,67.119 h1.4
  text "RX-" at 13.5,66.119 h1.4
  text "JTAG" at 93.372,65.522 h2
  text "TX+" at 13.5,65.119 h1.4
  text "E6" at 32.919,65.014 h1.4
  text "E5" at 37.432,65.012 h1.4
  text "E3" at 46.428,65.012 h1.4
  text "E4" at 41.909,65 h1.4
  text "RX+" at 13.5,64.119 h1.4
  text "GND" at 13.5,63.119 h1.4
  text "GND" at 13.5,62.119 h1.4
  text "CTS+" at 13.5,61.119 h1.4
  text "x4" at 34.173,61.004 h1.4
  text "GNDx9" at 89.281,61 h1.4 r90
  text "RTS+" at 13.5,60.119 h1.4
  text "NC" at 83.812,59.479 h1.4
  text "CTS-" at 13.5,59.119 h1.4
  text "E2" at 57.5,58.725 h1.4
  text "E0" at 64.912,58.225 h1.4
  text "E1" at 76.427,58.232 h1.4
  text "RTS-" at 13.5,58.119 h1.4
  text "32kHz" at 32.442,57.012 h1.4
  text "NC" at 83.812,56.919 h1.4
  text "NRST" at 82.237,55.314 h1.4
  text "1" at 62.721,55.25 h1.4
  text "D7" at 65.75,55.25 h1.4
  text "1" at 69.721,55.25 h1.4
  text "B9" at 72.75,55.25 h1.4
  text "1" at 76.721,55.25 h1.4
  text "B8" at 79.75,55.264 h1.4
  text "RS422" at 7.257,54.699 h2
  text "RS232" at 22.934,54.52 h1.2
  text "TDO" at 82.549,52.714 h1.4
  text "25MHz" at 34.903,52.363 h1.4 r315
  text "MCU RESET" at 19.58,51.114 h1.4
  text "NC" at 83.812,49.319 h1.4
  text "MOSI" at 10.3,48.619 h1.4
  text "TCK" at 82.549,47.71 h1.4
  text "GND" at 10.3,47.619 h1.4
  text "MISO" at 10.3,46.519 h1.4
  text "ETH-MCU / RESET" at 36.924,46.073 h1
  text "0" at 62.655,45.975 h1.4
  text "0" at 69.655,45.975 h1.4
  text "0" at 76.655,45.975 h1.4
  text "TMS" at 82.569,45.114 h1.4
  text "SCK" at 10.3,42.619 h1.4
  text "TDI" at 82.582,42.6 h1.4
  text "5V" at 78.872,42.013 h1.2
  text "3.3V" at 67.486,41.676 h1.2 r90
  text "GND" at 10.3,41.619 h1.4
  text "CS" at 10.3,40.519 h1.4
  text "TRST" at 82.232,40.114 h1.4
  text "STM32F417" at 46.155,39.699 h2
  text "MCU" at 58.53,38.864 h1.2 r90
  text "3.3V" at 82.454,36.619 h1.4
  text "SPI" at 8.801,36.199 h2
  text "50MHz" at 19.447,35.225 h1.4
  text "RS232" at 12.934,34.764 h1.2
  text "Variant : .VariantName / Last Rev: .Print_Date / Revision: 1.0" at 42.5,34 h1.8
  text "3.3V" at 89.281,33.454 h1.4 r90
  text "RX" at 10.3,32.119 h1.4
  text "ETH" at 39.015,30.75 h1.2
  text "5V / USB" at 86.296,30.5 h1.4
  text "GND" at 10.3,30.119 h1.4
  text "TX" at 10.3,28.119 h1.4
  text "FTDI" at 75.056,27.117 h1.2
  text "RTS" at 10.3,26.119 h1.4
  text "GND" at 10.3,24.119 h1.4
  text "3.3V" at 39.102,24.122 h1.2
  text "3.3V" at 59.102,24.122 h1.2
  text "CTS" at 10.3,22.019 h1.4
  text "TX" at 88.277,21.07 h1.3
  text "3.3V" at 39.102,20.872 h1.2
  text "3.3V" at 59.102,20.872 h1.2
  text "5V" at 39.994,19.373 h1.2
  text "5V" at 59.994,19.373 h1.2
  text "RX" at 88.244,19.07 h1.3
  text "RS232" at 6.257,18.699 h2
  text "3.3V" at 82.426,18.514 h1.2
  text "USB" at 91.5,18.499 h2
  text "SLP" at 87.957,17.056 h1.3
  text "(Type-C)" at 91.5,16.959 h1.6
  text "x3" at 89.251,15.983 h1.4
  text "D10" at 42.381,14 h1.4 r90
  text "D12" at 44.388,14 h1.4 r90
  text "D13" at 46.382,14 h1.4 r90
  text "D14" at 48.384,14 h1.4 r90
  text "D15" at 50.378,14 h1.4 r90
  text "C6" at 52.38,14 h1.4 r90
  text "C7" at 54.381,14 h1.4 r90
  text "C8" at 56.381,14 h1.4 r90
  text "E8" at 62.381,14 h1.4 r90
  text "E9" at 64.388,14 h1.4 r90
  text "E10" at 66.381,14 h1.4 r90
  text "E11" at 68.384,14 h1.4 r90
  text "E12" at 70.388,14 h1.4 r90
  text "E13" at 72.382,14 h1.4 r90
  text "E14" at 74.384,14 h1.4 r90
  text "E15" at 76.378,14 h1.4 r90
  text "ETH" at 19.8,12.193 h2 r90
  text "5V" at 93.266,9.372 h1.2 r90
  text "PG" at 90.88,7.301 h1.2 r90
  text "GPIO #0" at 59.601,1 h2 r90
  text "GPIO #1" at 79.601,0.9 h2 r90
Bottom Overlay Texts (Mech102):
  lines w0.15: 3.75,62.25 6.75,62.25 7.5,63 ; 3.75,68 5.5,69.75 11,69.75 11.5,69.25 11.5,68.5 ; 6.75,62.75 7.5,63 ; 7.25,62.25 7.5,63 ; 11.25,69 11.5,68.5 ; 11.75,69 11.5,68.5 ; 25,74.1 25,76.1 26,76.1 26,74.1 25,74.1 ; 25,79.1 26,79.1 26,81.1 25,81.1 25,79.1
  text "5V" at 24.737,80.628 h1.2 r90
  text "CAN" at 23.941,77.983 h1.2 r180
  text "3.3V" at 24.736,76.324 h1.2 r90
  text "Loop Back / Resistors" at 3.535,67.887 h1.4 r90
  text "NC" at 85.5,59.479 h1.4
  text "GND" at 91.912,59.479 h1.4
  text "NC" at 85.5,56.939 h1.4
  text "GND" at 91.912,56.939 h1.4
  text "NRST" at 85.5,54.399 h1.4
  text "GND" at 91.912,54.399 h1.4
  text "TDO/SWO" at 85.5,51.891 h1.4
  text "GND" at 91.912,51.819 h1.4
  text "NC" at 85.5,49.319 h1.4
  text "GND" at 91.912,49.319 h1.4
  text "TCK/SWCLK" at 85.5,46.811 h1.4
  text "GND" at 91.912,46.779 h1.4
  text "TMS/SWDIO" at 85.5,44.251 h1.4
  text "GND" at 91.912,44.219 h1.4
  text "GND" at 91.912,41.719 h1.4
  text "TDI" at 85.5,41.699 h1.4
  text "TRST" at 85.5,39.159 h1.4
  text "GND" at 91.912,39.159 h1.4
  text "3.3V" at 85.5,36.619 h1.4
  text "3.3V" at 92.546,36.619 h1.4
  text "RX-" at 26.603,10.75 h1.4 r270
  text "TX-" at 30.667,10.75 h1.4 r270
  text "RX+" at 30.413,7 h1.4 r90
  text "TX+" at 32.424,7 h1.4 r90

## Dimensions
65,30 to 85,30 on Dimensions
65,20 to 65,30 on Dimensions
65,20 to 95,0 on Dimensions
99.905,20.272 to 84.905,20.272 on Dimensions
95,5 to 102,2 on Dimensions
100,95 to 0,95 on Dimensions
5,0 to 5,100 on Dimensions

## Text inside footprints (layer, text, board x,y; h text height)
Conn660: Top Assembly "PCB Edge" at 99.906,23.982 h0.5 r90
Logo: Top Overlay "ALTIUM DESIGNER" at 44.876,35.989 h1.6; Top Overlay "UDEMY DERSLERİ" at 45.208,34.358 h1.6; Top Overlay "2023 - 2024" at 47.721,32.996 h1.6
Sw60_Sw1: Top Assembly "ON" at 63.276,53.021 h2
Sw60_Sw2: Top Assembly "ON" at 70.276,53.021 h2
Sw60_Sw3: Top Assembly "ON" at 77.276,53.021 h2